# Altium PCB PuttPilot-Dev.PcbDoc (part 2 of 2)
Units mm, origin at the board's own origin, x right, y up, seen from the top; angles counter-clockwise.
Board outline 150 x 60 mm, 4 copper layers (L01-SIG, L02-GND, L03-PWR, L04-SIG), stack 0.603 mm thick; 253 components, 165 nets, 696 pads, 557 vias.
Unrouted connection lines stored in the file: 140.
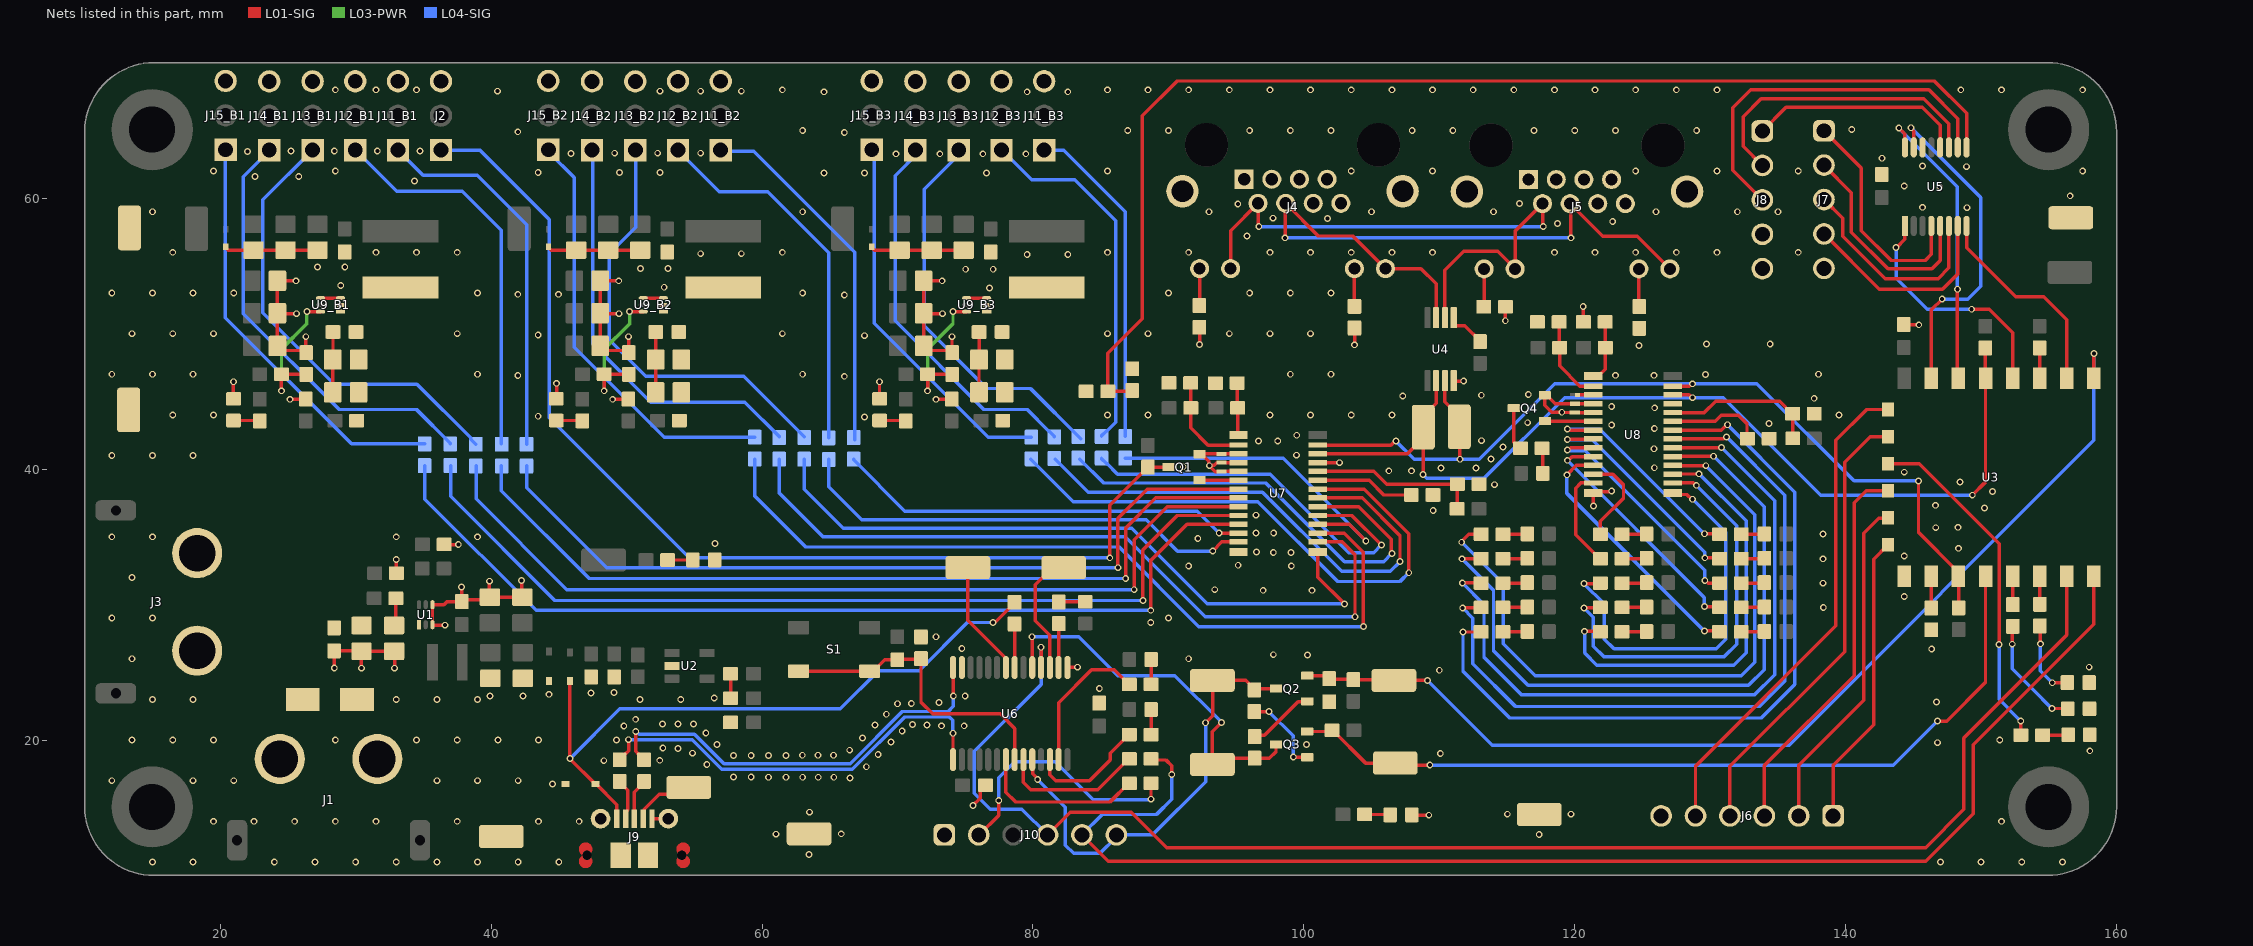
[diagram p4: the nets of this part, all layers, seen from the top]

## Via types
v1: diameter 0.5, hole 0.3, L01-SIG to L04-SIG, tented both sides, 557 vias

## Nets (pads, with @x,y where several pads share a name; then routed paths per layer and width w, separated by ;. In a path a pad name is that pad's centre, name@x,y a point inside that pad or via, vN(x,y) a via of type N, cw(c..) or ccw(c..) an arc to the next point about the centre after c; other vN are vias at no path point) (continued)
6V_FB_B1: R68_B1.1 R70_B1.2 U9_B1.6 | length 10.6
  L01-SIG w0.254: v1(24.523,45.778) R68_B1.1@24.523,47.012 ; R68_B1.1@24.523,47.012 26.323,47.012 R70_B1.2@26.342,46.993 ; v1(26.4,51.625) 26.402,51.623 27.406,51.623 U9_B1.6@27.409,51.62
  L03-PWR w0.254: v1@24.525,45.825 24.525,48.867 26.4,50.742 v1(26.4,51.625)
6V_FB_B2: R68_B2.1 R70_B2.2 U9_B2.6 | length 10.6
  L01-SIG w0.254: v1(48.348,45.778) R68_B2.1@48.348,47.012 ; R68_B2.1@48.348,47.012 50.148,47.012 R70_B2.2@50.167,46.993 ; v1(50.225,51.625) 50.227,51.623 51.231,51.623 U9_B2.6@51.234,51.62
  L03-PWR w0.254: v1@48.35,45.825 48.35,48.867 50.225,50.742 v1(50.225,51.625)
6V_FB_B3: R68_B3.1 R70_B3.2 U9_B3.6 | length 10.6
  L01-SIG w0.254: v1(72.222,45.778) R68_B3.1@72.223,47.012 ; R68_B3.1@72.223,47.012 74.023,47.012 R70_B3.2@74.042,46.993 ; v1(74.1,51.625) 74.102,51.623 75.106,51.623 U9_B3.6@75.109,51.62
  L03-PWR w0.254: v1@72.225,45.825 72.225,48.867 74.1,50.742 v1(74.1,51.625)
6V_SW_B1: L2_B1.1 U9_B1.2
6V_SW_B2: L2_B2.1 U9_B2.2
6V_SW_B3: L2_B3.1 U9_B3.2
12V: C1.2 C2.2 C3.2 C20_B1.2 C20_B2.2 C20_B3.2 C21_B1.2 C21_B2.2 C21_B3.2 C22_B1.2 C22_B2.2 C22_B3.2 D1.2 J1.1 J3.1 R2.2 R9.2 R67_B1.2 R67_B2.2 R67_B3.2 U1.1 U9_B1.1 U9_B2.1 U9_B3.1 | length 2.1
  L01-SIG w0.254: C1.2@32.839,28.455 32.968,28.584 R2.2@32.968,30.461
12V_VSENSE: R9.1 R16.2 U5.9 | length 88.6
  L01-SIG w0.254: R16.2@87.336,45.807 87.277,45.748 85.541,45.748 R9.1@85.532,45.739 85.532,48.557 88.075,51.1 88.075,66.075 90.65,68.65 146.55,68.65 148.925,66.275 U5.9@148.925,63.75
ESP_ADC: U3.2 U5.8 | length 15.5
  L01-SIG w0.254: U5.8@148.925,57.95 148.925,56.35 152.55,52.725 154.625,52.725 156.325,51.025 U3.2@156.325,46.7
ESP_EN: R19.1 U3.3 | length 2.2
  L01-SIG w0.254: R19.1@154.314,48.943 154.314,46.711 U3.3@154.325,46.7
GND: C1.1 C2.1 C3.1 C4.1 C5.1 C6.1 C7.1 C8.1 C9.1 C10.1 C11.1 C12.1 C13.1 C14.1 C15.1 C16.1 C17.1 C18.1 C20_B1.1 C20_B2.1 C20_B3.1 C21_B1.1 C21_B2.1 C21_B3.1 C22_B1.1 C22_B2.1 C22_B3.1 C23_B1.1 C23_B2.1 C23_B3.1 C24_B1.1 C24_B2.1 C24_B3.1 C25_B1.1 C25_B2.1 C25_B3.1 C26_B1.1 C26_B2.1 C26_B3.1 C27_B1.1 C27_B2.1 C27_B3.1 C28_B1.1 C28_B2.1 C28_B3.1 C29_B1.1 C29_B2.1 C29_B3.1 D1.1 D2.1 D4.2 D5.2 D6.2 D7.2 D8.2 D12.1 D29_B1.2 D29_B2.2 D29_B3.2 D30_B1.2 D30_B2.2 D30_B3.2 GND1.1 GND2.1 GND3.1 GND4.1 GND5.1 GND6.1 J1.2 J2.3 J3.2 J4.1 J4.3 J4.5 J4.6 J4.7 J4.8 J4.SH1 J4.SH2 J5.1 J5.3 J5.5 J5.6 J5.7 J5.8 J5.SH1 J5.SH2 J6.6 J7.5 J8.4 J8.5 J9.5 J9.6 J9.7 J9.8 J9.9 J9.10 J9.11 J10.1 J11_B1.3 J11_B2.3 J11_B3.3 J12_B1.3 J12_B2.3 J12_B3.3 J13_B1.3 J13_B2.3 J13_B3.3 J14_B1.3 J14_B2.3 J14_B3.3 J15_B1.3 J15_B2.3 J15_B3.3 NT1.1 NT2.1 NT3.1 NT5.1 NT6.1 Q1.2 Q4.2 R4.1 R5.1 R16.1 R17.1 R21.1 R22.1 R23.1 R24.1 R33.1 R36.1 R41.1 R60.1 R61.1 R62.1 R63.1 R64.1 R65.1 R69_B1.1 R69_B2.1 R69_B3.1 R70_B1.1 R70_B2.1 R70_B3.1 U1.3 U1.4 U2.2 U3.15 U4.4 U5.14 U6.1 U6.13 U7.14 U7.25 U8.14 U8.25 U9_B1.3 U9_B1.4 U9_B2.3 U9_B2.4 U9_B3.3 U9_B3.4 | length 128.4
  L01-SIG w0.254: D29_B1.2@20.413,56.396 20.413,56.356 20.607,56.163 C26_B1.1@27.184,56.163 ; v1(20.975,46.45) 20.975,45.2 D30_B1.2@20.987,45.188 ; v1(25.15,45.15) 26.303,45.15 R69_B1.1@26.317,45.164 ; v1(25.6,53.9) 24.238,53.9 C27_B1.1@24.228,53.91 C28_B1.1@24.228,51.508 ; v1(25.625,51.475) 24.261,51.475 C28_B1.1@24.228,51.508 ; v1(26.325,49.775) 26.325,48.61 26.18,48.755 24.568,48.755 C29_B1.1@24.228,49.095 C28_B1.1@24.228,51.508 ; U9_B1.4@27.409,52.62 U9_B1.3@28.889,52.62 ; C20_B1.1@28.319,45.671 C21_B1.1@28.319,48.084 28.327,48.092 C22_B1.1@28.327,50.12 ; v1(28.425,25.325) 28.425,26.557 C3.1@28.405,26.577 30.417,26.577 C2.1@30.439,26.555 ; v1(30.425,25.3) 30.425,26.541 C2.1@30.439,26.555 ; v1(32.875,25.3) 32.875,26.519 C1.1@32.839,26.555 C2.1@30.439,26.555 ; v1(33,33.325) 33,32.321 R4.1@33.007,32.314 ; R5.1@36.532,34.439 36.54,34.431 v1(37.583,34.431) ; v1(36.6,28.475) 35.696,28.475 35.675,28.496 U1.3@35.675,28.51 U1.4@35.675,29.99 35.69,29.975 36.525,29.975 36.773,30.223 C4.1@37.845,30.223 ; v1(37.825,31.3) 37.825,30.243 C4.1@37.845,30.223 ; v1(39.875,31.725) 39.875,30.581 C7.1@39.911,30.545 ; v1(42.25,31.775) 42.25,30.606 C8.1@42.311,30.545 C7.1@39.911,30.545 ; D29_B2.2@44.238,56.396 44.238,56.356 44.432,56.163 C26_B2.1@51.009,56.163 ; D30_B2.2@44.812,45.188 44.834,45.21 v1(44.834,46.33) ; v1(48.975,45.15) 50.128,45.15 R69_B2.1@50.142,45.164 ; v1(49.425,53.9) 48.063,53.9 C27_B2.1@48.053,53.91 C28_B2.1@48.053,51.508 ; v1(49.45,51.475) 48.086,51.475 C28_B2.1@48.053,51.508 ; v1(50.15,49.775) 50.15,48.61 R70_B2.1@50.167,48.593 50.005,48.755 48.393,48.755 C29_B2.1@48.053,49.095 C28_B2.1@48.053,51.508 ; U9_B2.4@51.234,52.62 U9_B2.3@52.714,52.62 ; J9.5@51.88,14.19 J9.7@53.08,14.19 ; C20_B2.1@52.144,45.671 C21_B2.1@52.144,48.084 52.152,48.092 C22_B2.1@52.152,50.12 ; C12.1@57.677,23.095 C11.1@57.677,24.895 ; D29_B3.2@68.113,56.396 68.113,56.356 68.307,56.163 C26_B3.1@74.884,56.163 ; v1(68.675,46.45) 68.675,45.2 D30_B3.2@68.687,45.188 ; v1(72.85,45.15) 74.003,45.15 R69_B3.1@74.017,45.164 ; v1(73.3,53.9) 71.938,53.9 C27_B3.1@71.928,53.91 C28_B3.1@71.928,51.508 C28_B3.1@71.961,51.475 ; v1(73.325,51.475) C28_B3.1@71.961,51.475 ; v1(74.025,49.775) 74.025,48.61 R70_B3.1@74.042,48.593 73.88,48.755 72.268,48.755 C29_B3.1@71.928,49.095 71.928,51.442 C28_B3.1@71.961,51.475 ; U9_B3.4@75.109,52.62 U9_B3.3@76.589,52.62 ; v1(75.575,15.175) 76.107,15.707 76.107,16.282 76.48,16.655 C18.1@76.498,16.655 ; C20_B3.1@76.019,45.671 C21_B3.1@76.019,48.084 76.027,48.092 C22_B3.1@76.027,50.12 ; U6.1@82.55,25.355 82.57,25.375 v1(83.3,25.375) ; R21.1@92.289,50.468 92.3,50.457 v1(92.3,49.2) ; 93.525,39.8 93.475,39.8 v1(93.025,40.25) ; 93.525,40.425 93.397,40.297 93.072,40.297 v1(93.025,40.25) ; NT1.1@93.584,41.125 92.325,41.125 Q1.2@92.3,41.1 92.45,41.1 92.978,40.572 92.978,40.297 v1(93.025,40.25) ; U7.25@101.026,40.476 v1@102.625,40.475 ; R23.1@103.739,50.418 103.75,50.407 v1(103.75,49.175) ; D5.2@107.975,14.475 108,14.45 v1(109.225,14.45) ; U4.4@111.068,46.525 111.093,46.5 v1(111.8,46.5) ; v1(114.875,50.95) 114.875,51.982 R22.1@114.882,51.989 ; R64.1@117.243,50.861 R64.1@117.25,50.868 ; NT5.1@119.678,44.825 118.573,44.825 117.946,45.452 Q4.2@117.796,45.452 117.796,44.704 118.301,44.199 v1(119.049,44.199) 119.069,44.178 NT6.1@119.691,44.178 ; v1(120.625,52) 120.625,50.879 R63.1@120.643,50.861 ; v1(121.375,37.275) U8.14@121.375,38.225 ; U8.14@121.376,38.226 121.478,38.328 122.678,38.328 v1(122.725,38.375) ; R24.1@124.764,50.393 R24.1@124.807,50.35 ; C14.1@144.295,50.673 144.318,50.65 v1(145.4,50.65) ; C4.1@37.845,30.223 37.967,30.345 39.711,30.345 C7.1@39.911,30.545
  other v1: 15,11 18,11 24,11 27,11 30,11 33,11 36,11 39,11 42,11 45,11 147,11 150,11 153,11 156,11 63.475,11.55 117.375,13.025 61.025,13.05 65.85,13.075 19.5,14 22.5,14 25.5,14 28.5,14 31.5,14 37.5,14 43.5,14 46.5,14 151.5,14 115.025,14.525 119.725,14.525 63.5,14.675 44.525,16.75 12,17 18,17 21,17 36,17 39,17 42,17 66.5,17.2 60.475,17.25 61.775,17.25 63,17.25 64.15,17.25 65.3,17.25 57.9,17.275 59.2,17.275 67.7,18.025 55.925,18.2 48.325,18.475 52.45,18.5 57.9,18.85 59.2,18.85 60.475,18.85 61.775,18.85 62.975,18.875 64.125,18.875 65.275,18.875 68.575,18.925 110.075,19 54.875,19.025 158.025,19.2 66.475,19.25 53.8,19.375 52.675,19.4 56.675,19.675 100.2,19.675 146.775,19.8 69.525,19.85 13.5,20 16.5,20 19.5,20 28.5,20 34.5,20 37.5,20 40.5,20 43.5,20 49.25,20 151.375,20 67.425,20.15 55.85,20.525 70.35,20.675 49.8,21.025 73.25,21.05 74.925,21.05 68.35,21.1 72.175,21.1 71.1,21.15 52.65,21.175 53.8,21.175 54.95,21.175 50.675,21.525 69.175,21.9 70,22.675 71.025,22.7 73.075,22.775 146.7,22.8 15,23 18,23 33,23 36,23 39,23 51,23 54,23 56.475,23.1 39.925,23.25 42.35,23.25 75,23.25 44.275,23.375 47.375,23.475 49.075,23.5 84.9,23.8 110,25.15 157.975,25.375 13.5,26 91.5,26 100.275,26.275 97.75,26.3 146.35,26.725 74.75,26.75 72.85,27.625 88.7,28.675 12,29 15,29 90,29 138.35,29.775 144.325,30.6 97,31.05 100.6,31.05 93.425,31.1 138.325,31.575 13.5,32 91.5,32.85 99.075,32.85 95.15,32.9 138.325,33.375 144.325,33.575 97.75,33.85 99.05,33.85 96.5,33.875 148.325,34.15 56.525,34.5 92.175,34.875 12,35 15,35 33,35 39,35 138.325,35.2 96.475,35.275 97.775,35.275 146.65,35.675 148.3,35.7 96.475,36.6 109.55,36.95 150.25,37.125 146.625,37.325 150.85,38.35 114.075,38.85 148.45,39.05 144.325,39.775 106.275,39.875 107.95,39.875 110.125,40.075 112.7,40.075 125.875,40.1 91.1,40.175 102.625,40.475 113.825,40.75 12,41 15,41 18,41 99.45,41.025 125.85,41.5 114.7,41.625 96.65,42.075 98.075,42.075 113.125,42.1 99.475,42.5 125.875,43 122.725,43.25 134.35,43.375 116.525,43.425 67.575,43.85 43.475,43.9 16.5,44 19.5,44 85.5,44 88.5,44 97.5,44 100.5,44 103.5,44 106.5,44 139.5,44 125.9,44.525 122.725,44.625 137.675,45.225 107.3,45.4 113.1,45.45 116.575,45.5 66.075,46.85 41.975,46.9 123,46.925 125.85,46.925 129.65,46.975 12,47 15,47 18,47 39,47 63,47 99,47 102,47 138,47 124.75,49.125 129.725,49.225 134.425,49.225 67.575,49.85 43.475,49.9 13.5,50 16.5,50 19.5,50 37.5,50 61.5,50 85.5,50 88.5,50 94.5,50 97.5,50 100.5,50 66.075,52.85 41.975,52.9 44.975,52.9 12,53 15,53 18,53 21,53 39,53 63,53 90,53 96,53 99,53 102,53 76.8,53.375 52.775,53.425 28.9,53.55 75.038,54.755 77.063,54.755 51.034,54.805 53.059,54.805 27.175,54.925 29.2,54.925 79.575,55.85 82.575,55.85 55.475,55.9 58.475,55.9 16.5,56 31.5,56 34.5,56 37.5,56 61.5,56 85.5,56 91.5,56 97.5,56 100.5,56 103.5,56 106.5,56 109.5,56 118.5,56 121.5,56 124.5,56 127.5,56 130.5,56 136.5,56 95.8,57.2 118.725,58.125 122.8,58.275 101.75,58.5 97.725,58.525 15,59 63,59 93,59 105,59 114,59 126,59 132,59 135,59 148.95,59.3 145.675,59.325 95.125,59.575 115.925,59.6 156.575,60.175 146.95,60.825 144.325,60.9 34.35,61.275 22.575,61.6 25.8,61.6 64.575,61.85 67.575,61.85 76.575,61.85 43.475,61.9 49.475,61.9 52.475,61.9 19.5,62 28.5,62 85.5,62 103.5,62 109.5,62 124.5,62 130.5,62 136.5,62 157.5,62 148.925,62.325 145.675,62.375 142.675,62.95 69.9,63.275 73.125,63.275 76.3,63.275 79.475,63.275 45.9,63.3 49.125,63.325 52.3,63.325 55.475,63.325 22.025,63.45 25.225,63.475 28.425,63.475 31.6,63.475 34.75,63.475 66.075,64.85 41.975,64.9 63,65 87,65 90,65 96,65 99,65 102,65 108,65 111,65 117,65 120,65 123,65 129,65 140.45,65.075 64.575,67.85 79.575,67.85 82.575,67.85 40.475,67.9 52.475,67.9 55.475,67.9 58.475,67.9 28.5,68 31.5,68 34.5,68 61.5,68 85.5,68 88.5,68 91.5,68 94.5,68 97.5,68 100.5,68 103.5,68 106.5,68 109.5,68 112.5,68 115.5,68 118.5,68 121.5,68 124.5,68 127.5,68 130.5,68 148.5,68 151.5,68 157.5,68
GPIO0: GPIO1.1 Q3.2 R20.1 U3.18 | length 61.6
  L01-SIG w0.254: Q3.2@100.246,20.627 102.009,20.627 R20.1@102.093,20.711 102.143,20.711 104.554,18.3 GPIO1.1@106.75,18.3 106.9,18.15 v1(109.3,18.15) ; v1(146.775,21.4) 147.475,21.4 150.325,24.25 U3.18@150.325,32.1
  L04-SIG w0.254: v1(109.3,18.15) 143.525,18.15 v1(146.775,21.4)
GPIO4: R10.2 U3.19 | length 2.1
  L01-SIG w0.254: U3.19@152.325,32.1 152.339,32.086 R10.2@152.339,29.993
GPIO5: R11.2 U3.20 | length 2.1
  L01-SIG w0.254: U3.20@154.325,32.1 154.339,32.086 R11.2@154.339,30.018
GPIO9: R12.2 U3.11 | length 25.4
  L01-SIG w0.254: U3.11@143.125,40.4 143.145,40.38 145.445,40.38 151.325,34.5 v1(151.325,27.05) ; v1(152.925,21.4) 152.925,20.371 R12.2@152.932,20.364
  L04-SIG w0.254: v1(151.325,27.05) 151.325,23 v1(152.925,21.4)
GPIO10: J6.3 U3.12 | length 28.7
  L01-SIG w0.254: J6.3@133.995,14.4 133.995,18.12 140.625,24.75 140.625,37.5 141.525,38.4 U3.12@143.125,38.4
GPIO12: U3.6 U5.16 | length 21.9
  L01-SIG w0.254: v1(143.925,65.175) 144.247,64.853 144.375,64.725 U5.16@144.375,63.75 ; v1(148.25,53.275) 148.25,46.775 U3.6@148.325,46.7
  L04-SIG w0.254: v1(143.925,65.175) 148.25,60.85 v1(148.25,53.275)
GPIO13: U3.7 U5.15 | length 24.8
  L01-SIG w0.254: v1(144.825,65.2) 144.825,65.133 145.025,64.933 U5.15@145.025,63.75 ; U3.7@146.325,46.7 146.325,51.75 v1(147.125,52.55)
  L04-SIG w0.254: v1(144.825,65.2) 149.975,60.05 149.975,53.5 149.025,52.55 v1(147.125,52.55)
GPIO15: R17.2 U3.16 | length 2.4
  L01-SIG w0.254: R17.2@146.314,29.743 146.314,32.089 U3.16@146.325,32.1
GPIO16: U3.4 U5.1 | length 17.8
  L01-SIG w0.254: v1(143.725,56.35) 143.753,56.35 144.37,56.968 144.37,57.945 U5.1@144.375,57.95 ; v1(149.3,51.8) 150.6,51.8 152.325,50.075 U3.4@152.325,46.7
  L04-SIG w0.254: v1(143.725,56.35) 143.725,54.1 146.025,51.8 v1(149.3,51.8)
I2C_EN: R15.1 U4.5 | length 3
  L01-SIG w0.254: U4.5@111.068,51.175 111.068,50.675 111.166,50.577 111.891,50.577 113.011,49.457 R15.1@113.011,49.407
I2C_LED_A0: R57.1 R63.2 U8.1 | length 4.6
  L01-SIG w0.254: U8.1@121.376,46.876 121.751,46.876 122.257,47.382 R57.1@122.257,48.964 122.25,48.971 122.25,50.854 R63.2@122.243,50.861
I2C_LED_A1: R58.1 R64.2 U8.2 | length 6.4
  L01-SIG w0.254: R64.2@118.843,50.861 118.863,50.842 118.863,48.983 R58.1@118.882,48.964 118.882,47.618 120.374,46.126 U8.2@121.376,46.126
I2C_LED_A2: NT4.2 U8.3 | length 1
  L01-SIG w0.254: 120.426,45.476 U8.3@121.376,45.476
I2C_LED_A3: NT5.2 U8.4 | length 1
  L01-SIG w0.254: 120.426,44.826 U8.4@121.376,44.826
I2C_LED_A4: NT6.2 U8.5 | length 1
  L01-SIG w0.254: 120.426,44.176 U8.5@121.376,44.176
I2C_LED_A5: R59.1 R65.2 U8.24 | length 11.4
  L01-SIG w0.254: U8.24@127.226,44.176 129.574,44.176 130.398,45 135.121,45 136.032,44.089 R65.2@136.082,44.089 136.088,44.083 136.088,42.267 R59.1@136.093,42.261
I2C_PWM_A0: R54.1 R60.2 U7.1 | length 3.8
  L01-SIG w0.254: R60.2@95.093,46.336 95.1,46.329 95.1,44.521 R54.1@95.107,44.514 95.107,42.595 U7.1@95.176,42.526
I2C_PWM_A1: R55.1 R61.2 U7.2 | length 7.3
  L01-SIG w0.254: R55.1@91.643,44.528 R61.2@91.643,46.361 ; R55.1@91.657,44.514 91.657,43.043 92.924,41.776 U7.2@95.176,41.776
I2C_PWM_A2: NT1.2 U7.3 | length 0.9
  L01-SIG w0.254: 94.325,41.125 U7.3@95.175,41.125
I2C_PWM_A3: NT2.2 U7.4 | length 0.9
  L01-SIG w0.254: 94.325,40.475 U7.4@95.175,40.475
I2C_PWM_A4: NT3.2 U7.5 | length 0.8
  L01-SIG w0.254: 94.35,39.825 U7.5@95.175,39.825
I2C_PWM_A5: R56.1 R62.2 U7.24 | length 12.5
  L01-SIG w0.254: U7.24@101.026,39.826 105.174,39.826 106.111,38.889 R62.2@111.332,38.889 111.325,38.882 111.325,37.068 R56.1@111.318,37.061
I2C_SCL: I2.1 R14.1 U3.5 U4.2 U7.26 U8.26 | length 74.5
  L01-SIG w0.254: U7.26@101.026,41.126 107.651,41.126 I2.1@108.8,42.275 ; v1(108.8,39.6) I2.1@108.8,42.275 ; U4.2@109.768,46.525 109.768,44.865 108.82,43.917 I2.1@108.82,43.095 108.8,43.075 I2.1@108.8,42.275 ; U8.26@127.226,45.476 128.433,45.475 128.633,45.275 v1(128.7,45.275) ; v1(149.35,38.075) 150.325,39.05 U3.5@150.325,46.7 150.314,46.711 R14.1@150.314,48.943
  L04-SIG w0.254: v1(108.8,39.6) 109.075,39.325 113.3,39.325 119.25,45.275 v1(128.7,45.275) 130.95,45.275 138.15,38.075 v1(149.35,38.075)
I2C_SCL_EXT: J4.4 J4.12 J5.4 J5.12 U4.7 | length 51.6
  L01-SIG w0.254: v1(98.6,57.075) 98.628,57.103 98.628,59.591 J4.4@98.657,59.62 101.067,57.21 103.617,57.21 J4.12@106.027,54.8 108.65,54.8 109.775,53.675 109.775,51.182 U4.7@109.768,51.175 ; J5.4@119.657,59.6 J5.4@119.691,59.566 ; v1(119.725,57.075) 119.691,57.109 J5.4@119.691,59.566 ; J5.12@127.027,54.78 124.617,57.19 122.067,57.19 J5.4@119.691,59.566
  L04-SIG w0.254: v1(98.6,57.075) v1(119.725,57.075)
I2C_SDA: I1.1 R13.1 U3.17 U4.3 U7.27 U8.27 | length 68.7
  L01-SIG w0.254: U7.27@101.026,41.776 106.434,41.776 106.733,42.075 v1(106.8,42.075) ; U4.3@110.418,46.525 110.418,44.982 111.475,43.925 I1.1@111.475,43.125 111.525,43.075 v1(111.525,40.725) ; U8.27@127.226,46.126 128.456,46.126 128.624,46.294 v1(128.691,46.294) ; v1(145.375,39.125) 145.375,35.35 148.325,32.4 U3.17@148.325,32.1 148.336,32.089 R13.1@148.336,29.757
  L04-SIG w0.254: v1(106.8,42.075) 108.15,40.725 v1(111.525,40.725) 112.95,40.725 118.525,46.3 128.685,46.3 v1(128.691,46.294) 133.448,46.294 140.617,39.125 v1(145.375,39.125)
I2C_SDA_EXT: J4.2 J4.10 J5.2 J5.10 U4.6 | length 45.6
  L01-SIG w0.254: J4.10@94.597,54.8 94.597,57.6 J4.2@96.617,59.62 96.646,59.591 96.646,57.929 v1(96.675,57.9) ; U4.6@110.418,51.175 110.418,54.693 111.8,56.075 114.302,56.075 J5.10@115.597,54.78 115.597,57.58 J5.2@117.617,59.6 117.646,59.571 117.646,57.929 v1(117.675,57.9)
  L04-SIG w0.254: v1(96.675,57.9) v1(117.675,57.9)
LED_PWM_0: Q4.1 U8.6 | length 3.6
  L01-SIG w0.254: Q4.1@117.796,43.552 117.809,43.539 121.363,43.539 U8.6@121.376,43.526
LED_PWM_1: R37.1 U8.7 | length 16.4
  L01-SIG w0.254: v1(119.45,42.95) 119.517,42.95 119.591,42.876 U8.7@121.376,42.876 ; v1(129.575,35.225) 130.654,35.225 R37.1@130.693,35.186
  L04-SIG w0.254: v1(119.45,42.95) 121.85,42.95 v1(129.575,35.225)
LED_PWM_1_n: D13.2 R37.2 | length 1.7
  L01-SIG w0.254: R37.2@132.293,35.186 132.295,35.188 133.973,35.188 D13.2@134,35.215
LED_PWM_2: R38.1 U8.8 | length 17.1
  L01-SIG w0.254: v1(119.45,42.175) 119.475,42.2 121.35,42.2 U8.8@121.376,42.226 ; v1(129.6,33.45) 130.629,33.45 R38.1@130.693,33.386
  L04-SIG w0.254: v1(119.45,42.175) 121.3,42.175 129.6,33.875 v1(129.6,33.45)
LED_PWM_2_n: D16.2 R38.2 | length 1.7
  L01-SIG w0.254: R38.2@132.293,33.386 132.295,33.388 133.973,33.388 D16.2@134,33.415
LED_PWM_3: R39.1 U8.9 | length 17.7
  L01-SIG w0.254: v1(119.45,41.4) 119.517,41.4 119.692,41.576 U8.9@121.376,41.576 ; v1(129.6,31.775) 129.667,31.775 129.856,31.586 R39.1@130.693,31.586
  L04-SIG w0.254: v1(119.45,41.4) 119.497,41.353 120.772,41.353 129.6,32.525 v1(129.6,31.775)
LED_PWM_3_n: D19.2 R39.2 | length 1.7
  L01-SIG w0.254: R39.2@132.293,31.586 132.295,31.588 133.973,31.588 D19.2@134,31.615
LED_PWM_4: R40.1 U8.10 | length 18.2
  L01-SIG w0.254: v1(119.45,40.646) 119.517,40.646 119.796,40.926 U8.10@121.376,40.926 ; v1(129.575,29.85) 130.629,29.85 R40.1@130.693,29.786
  L04-SIG w0.254: v1(119.45,40.646) 129.575,30.521 v1(129.575,29.85)
LED_PWM_4_n: D22.2 R40.2 | length 1.7
  L01-SIG w0.254: R40.2@132.293,29.786 132.295,29.788 133.973,29.788 D22.2@134,29.815
LED_PWM_5: R42.1 U8.11 | length 19.1
  L01-SIG w0.254: v1(119.425,39.575) 120.126,40.276 U8.11@121.376,40.276 ; v1(129.575,28.05) 130.629,28.05 R42.1@130.693,27.986
  L04-SIG w0.254: v1(119.425,39.575) 119.425,38.2 v1(129.575,28.05)
LED_PWM_5_n: D25.2 R42.2 | length 1.7
  L01-SIG w0.254: R42.2@132.293,27.986 132.295,27.988 133.973,27.988 D25.2@134,28.015
LED_PWM_6: R43.1 U8.12 | length 6.9
  L01-SIG w0.254: U8.12@121.376,39.626 122.824,39.626 123.6,38.85 123.6,37.85 121.893,36.143 R43.1@121.893,35.186
LED_PWM_6_n: D14.2 R43.2 | length 1.8
  L01-SIG w0.254: R43.2@123.493,35.186 123.495,35.188 125.273,35.188 D14.2@125.3,35.215
LED_PWM_7: R44.1 U8.13 | length 7.5
  L01-SIG w0.254: U8.13@121.376,38.976 120.451,38.976 120.075,38.6 120.075,35.154 121.843,33.386 R44.1@121.893,33.386
LED_PWM_7_n: D17.2 R44.2 | length 1.8
  L01-SIG w0.254: R44.2@123.493,33.386 123.495,33.388 125.273,33.388 D17.2@125.3,33.415
LED_PWM_8: R45.1 U8.15 | length 28.5
  L01-SIG w0.254: v1(120.675,31.55) 121.857,31.55 R45.1@121.893,31.586 ; U8.15@127.226,38.226 127.325,38.127 128.282,38.127 128.633,37.775 v1(128.7,37.775)
  L04-SIG w0.254: v1(120.675,31.55) 122.175,30.05 122.175,27.45 122.9,26.725 130.45,26.725 131.15,27.425 131.15,35.325 v1(128.7,37.775)
LED_PWM_8_n: D20.2 R45.2 | length 1.8
  L01-SIG w0.254: R45.2@123.493,31.586 123.495,31.588 125.273,31.588 D20.2@125.3,31.615
LED_PWM_9: R46.1 U8.16 | length 30.4
  L01-SIG w0.254: v1(120.675,29.75) 121.857,29.75 R46.1@121.893,29.786 ; U8.16@127.226,38.976 128.733,38.976 128.908,38.8 v1(128.975,38.8)
  L04-SIG w0.254: v1(120.675,29.75) 121.375,29.05 121.375,26.925 122.17,26.13 130.495,26.13 131.005,26.13 131.95,27.075 131.95,35.825 v1(128.975,38.8)
LED_PWM_9_n: D23.2 R46.2 | length 1.8
  L01-SIG w0.254: R46.2@123.493,29.786 123.495,29.788 125.273,29.788 D23.2@125.3,29.815